# Altium PCB PDB_PCB2.PcbDoc (part 3 of 3)
Units mm, origin at the board's own origin, x right, y up, seen from the top; angles counter-clockwise.
Board outline 244 x 82 mm, 4 copper layers (Top Layer, NC, GND, Bottom Layer), stack 0.603 mm thick; 252 components, 210 nets, 894 pads, 234 vias.
Unrouted connection lines stored in the file: 2.
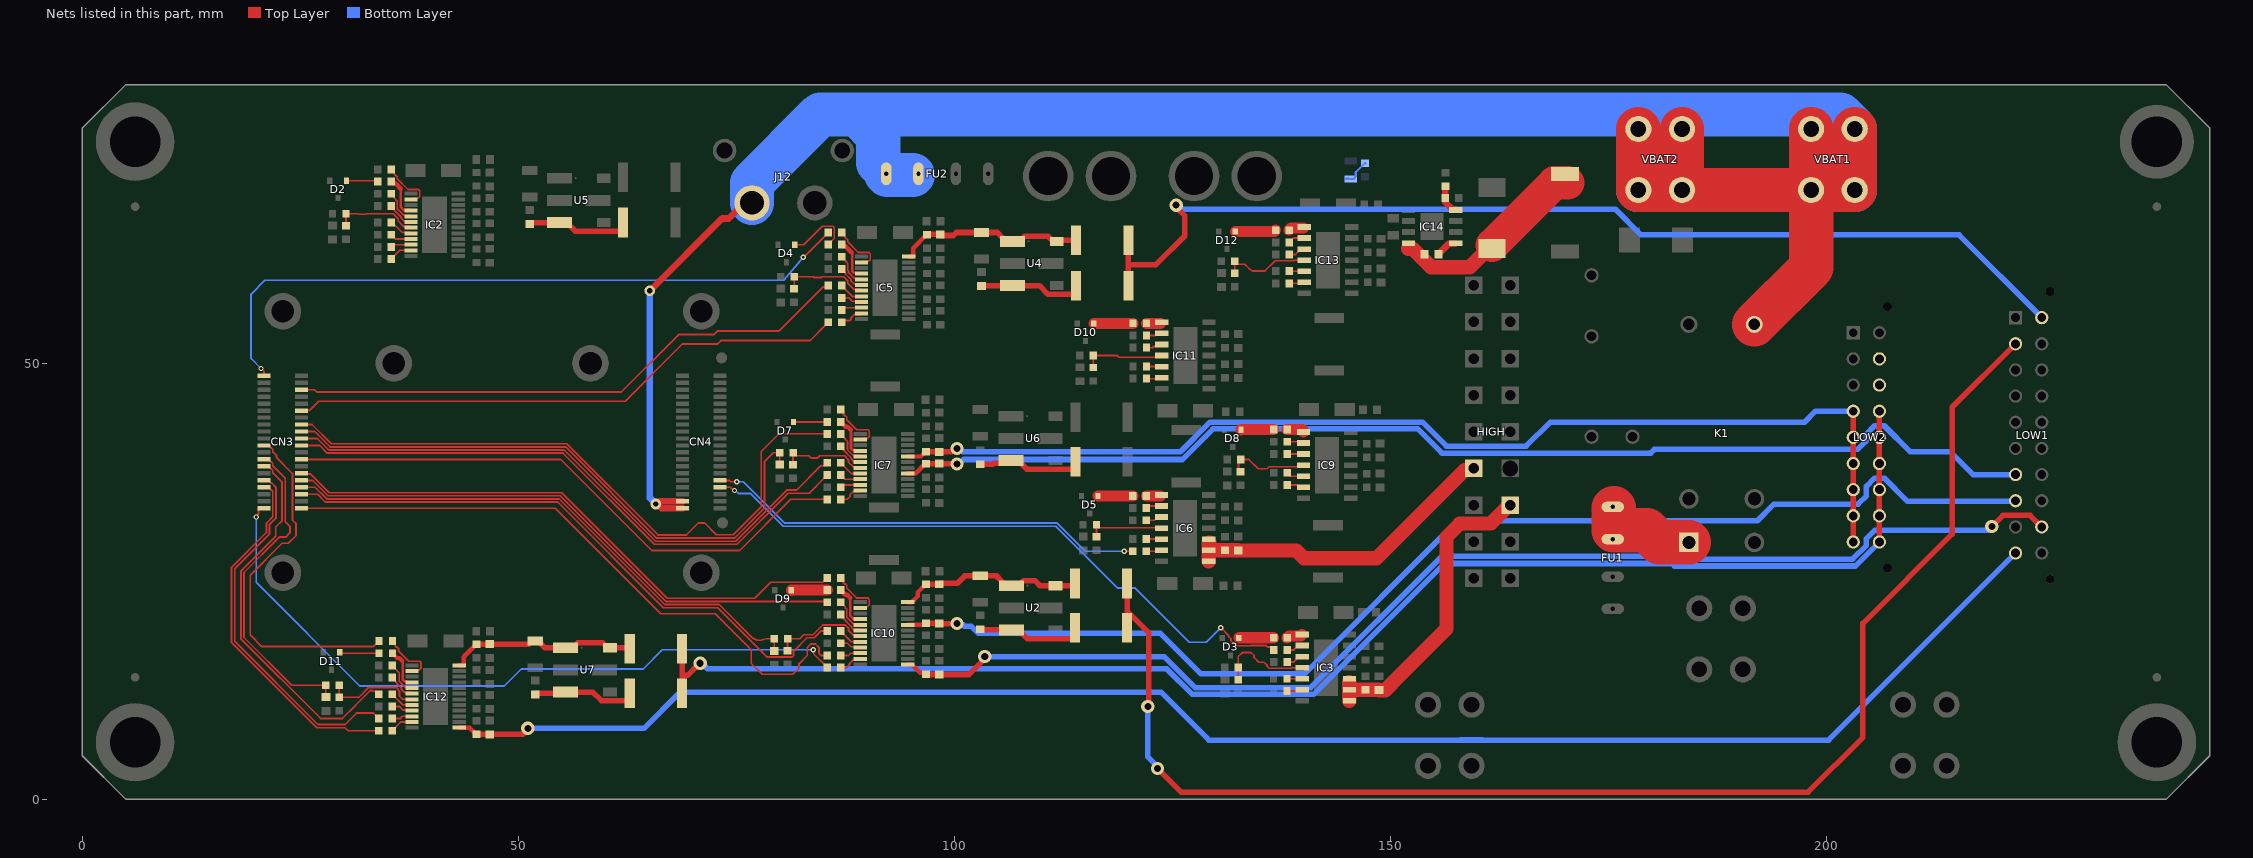
[diagram p5: the nets of this part, all layers, seen from the top]

## Via types
v1: diameter 1.524, hole 0.813, Top Layer to Bottom Layer, 114 vias
v2: diameter 1.219, hole 0.61, Top Layer to Bottom Layer, 68 vias
v3: diameter 0.61, hole 0.305, Top Layer to Bottom Layer, 44 vias
v4: diameter 1.2, hole 1.2, Top Layer to Bottom Layer, 2 vias
v5: diameter 0.8, hole 0.8, Top Layer to Bottom Layer, 2 vias
v6: diameter 1.016, hole 0.61, Top Layer to Bottom Layer, 1 vias
v7: diameter 2.54, hole 1.27, Top Layer to Bottom Layer, 1 vias
v8: diameter 0.914, hole 0.508, Top Layer to Bottom Layer, 1 vias
v9: diameter 0.813, hole 0.406, Top Layer to Bottom Layer, 1 vias

## Nets (pads, with @x,y where several pads share a name; then routed paths per layer and width w, separated by ;. In a path a pad name is that pad's centre, name@x,y a point inside that pad or via, vN(x,y) a via of type N, cw(c..) or ccw(c..) an arc to the next point about the centre after c; other vN are vias at no path point) (continued)
L2_select0: CN3.38 R31.2 | length 65.6
  Top Layer w0.203: CN3.38@25.16,47 26.619,47 26.883,46.736 61.814,46.736 68.392,53.315 72.415,53.315 72.817,53.716 79.878,53.716 84.961,58.799 85.443,58.799 R31.2@85.572,58.928
L2_select1: CN3.35 R33.2 | length 64.7
  Top Layer w0.203: CN3.35@25.14,44.577 25.201,44.638 26.096,44.638 27.127,45.669 62.255,45.669 68.834,52.248 72.873,52.248 73.254,52.629 83.464,52.629 85.224,54.389 85.249,54.389 85.572,54.712 R33.2@85.572,54.737
L3_5V_Backup: LOW1.11 R114.2 R116.2 | length 121.7
  Top Layer w0.635: R114.2@119.967,58.928 119.967,61.531 ; R116.2@119.967,64.135 119.967,61.531 ; v1(125.464,68.161) 125.464,67.92 126.449,66.935 126.449,64.651 123.139,61.341 120.158,61.341 119.967,61.531
  Bottom Layer w0.635: v1(125.464,68.161) 125.704,68.161 126.174,67.691 175.844,67.691 178.791,64.745 215.256,64.745 LOW1.11@224.742,55.259
L3_5V_Backup_a: C30.2 C75.2 IC5.24 R34.2 R116.1 U4.1 U4.6 | length 21.9
  Top Layer w0.508: IC5.24@94.787,62.249 95.267,62.249 95.296,62.278 95.296,63.23 96.856,64.79 R34.2@96.881,64.79
  Top Layer w0.635: R34.2@96.881,64.79 96.893,64.802 98.392,64.802 C30.2@98.405,64.815 98.537,64.682 99.91,64.682 100.253,65.026 C75.2@103.124,65.026 104.951,65.026 105.562,64.415 105.562,64.316 105.87,64.008 U4.1@106.68,64.008 107.49,64.008 108.077,64.595 110.77,64.595 111.23,64.135 R116.1@113.967,64.135
L3_5V_Backup_EN: CN3.1 R35.2 | length 79.3
  Top Layer w0.203: v3(20.498,49.428) 20.84,49.086 CN3.1@20.84,48.6 ; v3(82.677,62.174) 82.732,62.174 85.552,64.993 R35.2@85.552,65.043
  Bottom Layer w0.203: v3(20.498,49.428) 19.414,50.512 19.355,50.571 19.355,57.963 20.93,59.538 80.46,59.538 v3(82.677,62.174)
L3_current_IN5: C51.2 CN3.32 R72.2 | length 68.5
  Top Layer w0.203: CN3.32@25.128,42.2 26.644,42.2 28.407,40.437 55.428,40.437 65.893,29.972 74.798,29.972 78.232,33.406 78.232,38.743 79.247,39.758 R72.2@79.977,39.758 79.99,39.745 C51.2@79.99,38.399
L3_select0: CN3.31 R59.2 | length 68.9
  Top Layer w0.203: CN3.31@25.146,41.402 26.939,41.402 28.26,40.081 55.28,40.081 65.745,29.616 74.945,29.616 80.813,35.484 81.911,35.484 84.687,38.26 85.122,38.26 85.445,38.583 R59.2@85.445,38.608
L3_select1: CN3.28 R60.2 | length 67.1
  Top Layer w0.203: CN3.28@25.116,38.989 54.864,38.989 65.303,28.55 75.387,28.55 81.254,34.417 R60.2@85.445,34.417
L4_5V_Backup: LOW2.13 LOW2.14 LOW2.15 LOW2.16 LOW2.17 LOW2.18 R133.2 R136.2 | length 166.4
  Top Layer w0.635: R133.2@68.786,12.192 68.786,14.224 ; 68.786,14.526 R136.2@68.786,17.272 ; 69.088,14.224 69.389,14.224 70.786,15.621 v1(70.866,15.621) ; LOW2.18@206.121,29.529 LOW2.17@206.121,32.529 LOW2.16@206.121,35.529 LOW2.15@206.121,38.529 LOW2.14@206.121,41.529 LOW2.13@206.121,44.529
  Bottom Layer w0.635: v1(70.866,15.621) 71.047,15.621 71.682,14.986 124.372,14.986 127.318,12.04 141.199,12.04 156.22,27.061 182.327,27.061 182.617,26.772 203.364,26.772 LOW2.18@206.121,29.529
L4_5V_Backup_a: C71.2 C86.2 IC12.24 R121.2 R136.1 U7.1 U7.6 | length 22.1
  Top Layer w0.508: IC12.24@43.245,15.379 43.725,15.379 43.754,15.408 43.754,16.373 45.187,17.806 R121.2@45.212,17.806
  Top Layer w0.635: R121.2@45.212,17.806 45.218,17.812 46.73,17.812 C71.2@46.736,17.818 51.224,17.818 51.568,18.162 C86.2@51.943,18.162 52.318,18.162 52.684,17.796 52.684,17.771 53.055,17.399 U7.1@55.443,17.399 56.253,17.399 56.84,17.986 59.666,17.986 60.253,17.399 U7.6@60.518,17.399 62.659,17.399 R136.1@62.786,17.272
L4_5V_Backup_EN: CN3.11 R122.2 | length 41.8
  Top Layer w0.203: CN3.11@20.828,40.64 21.3,40.64 21.488,40.452 21.488,40.423 21.607,40.304 21.695,40.304 21.844,40.155 21.844,39.858 22.276,39.426 22.276,39.192 24.1,37.368 24.1,32.034 24.518,31.616 24.518,30.271 23.629,29.382 22.9,29.382 19.253,25.735 19.253,18.872 20.599,17.526 33.388,17.526 33.675,17.813 33.7,17.813 34.023,18.136 R122.2@34.023,18.161
L4_current_IN6: C60.2 CN3.24 R98.2 | length 62.8
  Top Layer w0.203: CN3.24@25.146,35.814 26.68,35.814 28.026,34.468 54.671,34.468 66.787,22.352 73.05,22.352 76.904,18.498 76.968,18.455 77.211,18.351 ccw(c77.648,19.38) 77.918,18.296 78.424,18.422 R98.2@79.342,18.422 79.355,18.409 C60.2@79.355,17.025
L4_select0: CN3.23 R87.2 | length 69.6
  Top Layer w0.203: CN3.23@25.16,35 26.991,35 27.879,34.112 54.524,34.112 66.639,21.996 72.903,21.996 78.578,16.321 81.396,16.321 81.583,16.508 81.583,17.011 83.114,18.542 83.952,18.542 84.714,19.304 R87.2@85.445,19.304
L4_select1: CN3.20 R88.2 | length 82.6
  Top Layer w0.203: v3(19.939,32.385) 19.939,32.495 20.192,32.748 20.192,33.252 20.341,33.401 CN3.20@20.955,33.401 ; v3(83.82,17.17) 83.898,17.093 83.898,16.685 85.445,15.138 R88.2@85.445,15.113
  Bottom Layer w0.203: v3(19.939,32.385) 19.939,24.892 31.826,13.005 48.394,13.005 50.35,14.961 64.313,14.961 66.523,17.17 v3(83.82,17.17)
L5_current_IN7: C80.2 CN3.13 R130.2 | length 37.6
  Top Layer w0.203: CN3.13@20.828,38.989 21.351,38.989 21.488,38.852 21.488,38.823 21.607,38.704 21.695,38.704 21.844,38.555 21.844,38.258 23.266,36.836 23.266,31.862 23.806,31.322 23.806,30.566 23.334,30.094 22.606,30.094 18.542,26.03 18.542,18.578 24.026,13.094 R130.2@27.927,13.094 27.927,11.748 C80.2@27.94,11.735
L5_select0: CN3.14 R119.2 | length 44.1
  Top Layer w0.203: CN3.14@20.828,38.227 21.313,38.227 21.488,38.052 21.488,38.023 21.607,37.904 21.695,37.904 21.844,37.755 21.844,37.458 22.911,36.391 22.911,31.969 22.194,31.251 22.194,30.185 18.186,26.177 18.186,18.43 27.32,9.296 29.835,9.296 31.355,10.817 31.355,10.825 33.021,12.491 33.224,12.491 33.301,12.413 33.687,12.413 34.01,12.09 R119.2@34.01,12.065
L5_select1: CN3.17 R120.2 | length 41.6
  Top Layer w0.203: CN3.17@20.819,35.823 21.317,35.823 21.636,35.504 21.695,35.504 21.844,35.355 21.844,32.41 21.127,31.693 21.127,30.626 17.12,26.619 17.12,17.988 26.878,8.23 30.124,8.23 30.48,7.874 R120.2@34.01,7.874
LOGGER_PWR: C59.2 IC10.13 LOW1.19 R101.2 | length 142.5
  Top Layer w0.508: IC10.13@94.66,15.475 95.14,15.475 96.106,14.509 96.603,14.509 R101.2@96.774,14.338
  Top Layer w0.635: R101.2@96.774,14.338 96.786,14.326 98.286,14.326 C59.2@98.298,14.313 101.689,14.313 103.06,15.684 103.06,15.698 103.505,16.142 v1(103.505,16.383) ; v1(219.011,31.305) 220.297,32.591 223.41,32.591 LOW1.19@224.742,31.259
  Bottom Layer w0.635: v1(103.505,16.383) 124.088,16.383 127.644,12.827 140.872,12.827 155.936,27.89 182.612,27.89 182.943,27.559 203.034,27.559 204.621,29.146 204.621,29.912 205.57,30.861 218.567,30.861 v1(219.011,31.305)
LOGGER_PWR_EN: CN3.21 R95.2 | length 72.6
  Top Layer w0.203: CN3.21@24.868,33.401 54.229,33.401 66.345,21.285 72.608,21.285 76.733,17.16 76.733,15.596 77.964,14.365 81.493,14.365 82.206,15.078 82.206,15.581 83.135,16.51 83.135,17.419 83.546,17.831 84.094,17.831 84.48,17.444 84.48,16.745 84.715,16.51 R95.2@85.445,16.51
MCU_UBR: C77.2 IC12.13 LOW1.10 R135.2 | length 191.8
  Top Layer w0.508: IC12.13@43.245,8.229 43.725,8.229 43.754,8.2 44.45,8.2 R135.2@44.999,7.651
  Top Layer w0.635: R135.2@45.212,7.48 45.224,7.468 46.724,7.468 C77.2@46.736,7.455 50.521,7.455 51.102,8.036 v1(51.102,8.158)
  Bottom Layer w0.635: v1(51.102,8.158) 64.419,8.158 68.58,12.319 123.698,12.319 129.21,6.807 158.109,6.807 158.119,6.817 160.571,6.817 160.581,6.807 200.29,6.807 LOW1.10@221.742,28.259
MCU_UBR_EN: CN3.16 R126.2 | length 42.5
  Top Layer w0.203: CN3.16@20.955,36.576 21.364,36.576 21.488,36.452 21.488,36.423 21.607,36.304 21.695,36.304 22.2,35.8 22.2,32.263 21.482,31.546 21.482,30.479 17.475,26.472 17.475,18.136 27.026,8.585 30.129,8.585 31.451,9.907 33.399,9.907 34.01,9.296 R126.2@34.01,9.271
NetC66_2: C66.2 R111.1 U2.3 | length 12.4
  Top Layer w0.635: C66.2@102.997,19.52 103.042,19.476 106.508,19.476 U2.3@106.553,19.431 107.363,19.431 108.358,18.436 113.583,18.436 113.84,18.694 R111.1@113.84,19.685
NetC68_1: C68.1 IC14.1 | length 2.4
  Top Layer w0.762: C68.1@155.562,62.526 155.562,62.576 156.735,63.749 IC14.1@157.469,63.749
NetC68_2: C68.2 D13.1 IC14.8 L1.1 | length 23.8
  Top Layer w0.508: D13.1@162.355,64.026 D13.1@162.718,64.026
  Top Layer w1.651: 152.095,63.17 152.585,63.17 154.707,61.048 159.119,61.048 161.246,63.175 D13.1@161.696,63.175
  Top Layer w3.048: D13.1@161.696,63.175 D13.1@161.696,63.573
  Top Layer w3.81: D13.1@161.696,63.573 168.862,70.739 170.383,70.739
NetC70_2: C70.2 R114.1 U4.3 | length 12.1
  Top Layer w0.635: C70.2@103.124,58.89 103.143,58.909 106.661,58.909 U4.3@106.68,58.928 109.775,58.928 110.77,57.933 113.71,57.933 113.967,58.191 R114.1@113.967,58.928
NetC76_2: C76.2 R129.1 U5.3 | length 12
  Top Layer w0.635: C76.2@51.308,66.002 51.358,66.002 51.523,66.167 U5.3@54.737,66.167 55.547,66.167 56.542,65.172 61.767,65.172 62.024,65.43 R129.1@62.024,66.167
NetC79_2: C79.2 R131.1 U6.3 | length 12.2
  Top Layer w0.635: C79.2@102.977,38.45 104.429,38.45 104.541,38.562 106.225,38.562 U6.3@106.533,38.869 107.343,38.869 108.338,37.874 113.641,37.874 113.899,38.132 R131.1@113.899,38.742
NetC82_2: C82.2 R133.1 U7.3 | length 12.1
  Top Layer w0.635: C82.2@51.943,12.027 52.076,12.16 55.284,12.16 U7.3@55.443,12.319 58.538,12.319 59.533,11.324 62.529,11.324 62.786,11.582 R133.1@62.786,12.192
NetD2_1: D2.1 R26.1 | length 3.6
  Top Layer w0.203: D2.1@30.287,70.961 33.801,70.961 R26.1@33.896,70.866
NetD3_1: D3.1 R27.2 | length 4
  Top Layer w1.27: D3.1@132.649,18.526 132.665,18.542 R27.2@136.639,18.542
NetD4_1: D4.1 R51.1 | length 7.7
  Top Layer w0.203: D4.1@81.702,63.618 82.766,63.618 84.883,65.735 86.095,65.735 86.244,65.586 86.244,64.338 85.565,63.659 R51.1@85.565,63.634
NetD5_1: D5.1 R55.2 | length 4
  Top Layer w1.27: D5.1@116.5,34.795 116.516,34.811 R55.2@120.49,34.811
NetD7_1: D7.1 R77.1 | length 3.9
  Top Layer w0.203: D7.1@81.575,43.298 R77.1@85.436,43.298
NetD8_1: D8.1 R82.2 | length 3.7
  Top Layer w1.27: D8.1@132.903,42.402 132.919,42.418 R82.2@136.639,42.418
NetD9_1: D9.1 R103.1 | length 4.1
  Top Layer w1.27: D9.1@81.321,23.994 81.337,24.01 R103.1@85.438,24.01
NetD10_1: D10.1 R118.2 | length 4.5
  Top Layer w1.27: D10.1@116.012,54.594 120.494,54.594 R118.2@120.51,54.61
NetD11_1: D11.1 R137.1 | length 4.5
  Top Layer w0.203: D11.1@29.525,16.875 29.636,16.764 R137.1@34.023,16.764
NetD12_1: D12.1 R152.2 | length 4.7
  Top Layer w1.27: D12.1@132.248,65.148 136.717,65.148 R152.2@136.86,65.291
NetFU1_2: FU1.2 K1.1 | length 11.4
  Top Layer w5.08: 175.666,30.886 FU1.2@175.666,33.425 ; 176.022,30.886 179.444,30.886 180.848,29.483 K1.1@184.27,29.483
NetIC2_2: IC2.2 R11.1 | length 6.4
  Top Layer w0.203: R11.1@35.446,72.263 35.769,71.94 35.769,71.689 35.888,71.57 35.976,71.57 36.125,71.421 36.125,71.19 37.355,69.96 38.562,69.96 38.711,69.811 38.711,69.151 38.562,69.002 38.51,69.002 38.462,68.954 37.818,68.954 IC2.2@37.694,68.831
NetIC2_4: IC2.4 R26.2 | length 4.9
  Top Layer w0.305: 36.531,70.047 36.531,67.925 36.853,67.604 37.621,67.604 IC2.4@37.694,67.531
  Top Layer w0.508: R26.2@35.446,70.866 35.446,70.841 35.617,70.67 35.908,70.67 36.531,70.047
NetIC2_5: IC2.5 R13.1 | length 3.9
  Top Layer w0.203: R13.1@35.446,69.469 35.769,69.146 35.769,68.983 36.125,68.627 36.125,67.753 36.874,67.004 37.571,67.004 IC2.5@37.694,66.881
NetIC2_6: IC2.6 R3.1 | length 3.2
  Top Layer w0.203: R3.1@35.446,68.072 35.769,67.749 35.769,67.591 36.594,66.766 36.594,66.634 36.874,66.354 37.571,66.354 IC2.6@37.694,66.231
NetIC2_7: IC2.7 R22.1 R24.2 | length 9.7
  Top Layer w0.203: R24.2@30.226,65.786 30.239,65.799 R22.1@30.239,67.183 31.655,67.183 31.731,67.107 32.531,67.107 32.607,67.183 35.651,67.183 36.239,66.595 36.239,66.34 36.874,65.704 37.571,65.704 IC2.7@37.694,65.581
NetIC2_8: IC2.8 R4.1 | length 2.8
  Top Layer w0.203: R4.1@35.433,66.142 R4.1@35.433,66.167 ; R4.1@35.446,66.269 36.661,65.054 37.571,65.054 IC2.8@37.694,64.931
NetIC2_9: IC2.9 R17.1 | length 2.5
  Top Layer w0.203: R17.1@35.433,64.77 35.433,64.745 35.756,64.422 35.781,64.422 35.922,64.281 IC2.9@37.694,64.281
NetIC2_10: IC2.10 R19.1 | length 2.4
  Top Layer w0.203: R19.1@35.433,63.373 35.691,63.631 IC2.10@37.694,63.631
NetIC2_11: IC2.11 R7.1 | length 2.7
  Top Layer w0.203: R7.1@35.433,61.976 35.433,62.001 36.413,62.981 IC2.11@37.694,62.981
NetIC3_1: IC3.1 R27.1 | length 1.9
  Top Layer w1.27: R27.1@138.189,18.542 138.412,18.765 139.781,18.765 139.909,18.893 IC3.1@139.909,18.923
NetIC3_2: IC3.2 R12.1 | length 1.9
  Top Layer w0.203: R12.1@138.189,17.145 138.963,17.145 139.471,17.653 IC3.2@139.909,17.653
NetIC3_3: IC3.3 R5.1 | length 2
  Top Layer w0.203: R5.1@138.189,15.748 138.919,15.748 139.248,16.077 139.248,16.16 139.471,16.383 IC3.3@139.909,16.383
NetIC3_4: IC3.4 R18.1 R23.2 | length 11.1
  Top Layer w0.203: R23.2@132.588,13.729 R18.1@132.588,15.113 132.588,16.396 133.034,16.842 134.047,16.842 134.385,16.503 134.385,16.288 134.951,15.723 135.534,15.723 135.89,15.367 135.89,15.263 136.109,15.044 138.719,15.044 138.788,15.113 IC3.4@139.909,15.113
NetIC3_5: IC3.5 R8.1 | length 1.7
  Top Layer w0.203: R8.1@138.176,13.843 IC3.5@139.909,13.843
NetIC3_6: IC3.6 R16.1 | length 1.8
  Top Layer w0.203: R16.1@138.176,12.446 139.782,12.446 IC3.6@139.909,12.573
NetIC5_2: IC5.2 R35.1 | length 6.4
  Top Layer w0.203: R35.1@87.115,65.031 87.438,64.708 87.438,64.457 87.557,64.338 87.645,64.338 87.794,64.189 87.794,63.946 89.012,62.728 90.231,62.728 90.379,62.579 90.379,61.919 90.183,61.722 89.486,61.722 IC5.2@89.363,61.599
NetIC5_4: IC5.4 R51.2 | length 4.9
  Top Layer w0.305: 88.265,62.713 88.296,62.682 88.296,60.598 88.474,60.419 88.705,60.419 88.825,60.299 IC5.4@89.363,60.299
  Top Layer w0.508: R51.2@87.115,63.634 87.115,63.609 87.286,63.438 87.54,63.438 88.265,62.713
NetIC5_5: IC5.5 R37.1 | length 3.9
  Top Layer w0.203: R37.1@87.115,62.237 87.115,62.212 87.635,61.692 87.635,61.624 87.794,61.466 87.794,60.668 87.889,60.573 87.889,60.426 88.543,59.772 89.24,59.772 IC5.5@89.363,59.649
NetIC5_6: IC5.6 R29.1 | length 3.2
  Top Layer w0.203: R29.1@87.115,60.84 87.115,60.815 87.534,60.396 87.534,60.264 88.157,59.641 88.157,59.509 88.543,59.122 89.24,59.122 IC5.6@89.363,58.999
NetIC5_7: IC5.7 R46.1 R49.2 | length 10
  Top Layer w0.203: R49.2@81.641,58.567 81.654,58.58 R46.1@81.654,59.951 83.845,59.951 83.928,59.868 84.728,59.868 84.811,59.951 87.333,59.951 87.801,59.483 87.801,59.214 88.543,58.472 89.24,58.472 IC5.7@89.363,58.349
NetIC5_8: IC5.8 R31.1 | length 2.8
  Top Layer w0.203: R31.1@87.122,58.928 87.122,58.903 88.326,57.699 IC5.8@89.363,57.699
NetIC5_9: IC5.9 R40.1 | length 2.4
  Top Layer w0.203: R40.1@87.122,57.531 87.894,57.531 88.296,57.13 89.282,57.13 IC5.9@89.363,57.049
NetIC5_10: IC5.10 R42.1 | length 2.4
  Top Layer w0.203: R42.1@87.122,56.134 87.387,56.399 IC5.10@89.363,56.399
NetIC5_11: IC5.11 R33.1 | length 2.8
  Top Layer w0.203: R33.1@87.122,54.737 87.445,54.94 88.055,54.94 88.174,55.059 88.174,55.256 88.543,55.626 89.24,55.626 IC5.11@89.363,55.749
NetIC6_1: IC6.1 R55.1 | length 1.6
  Top Layer w1.27: R55.1@122.04,34.811 IC6.1@123.666,34.811
NetIC6_2: IC6.2 R41.1 | length 1.8
  Top Layer w0.203: R41.1@122.04,33.414 122.281,33.655 IC6.2@123.78,33.655
NetIC6_3: IC6.3 R36.1 | length 1.9
  Top Layer w0.203: R36.1@122.04,32.017 122.974,32.017 123.342,32.385 IC6.3@123.78,32.385
NetIC6_4: IC6.4 R47.1 R52.2 | length 9
  Top Layer w0.203: R52.2@116.312,30.112 116.325,30.125 R47.1@116.325,31.509 116.325,31.489 116.648,31.166 123.729,31.166 IC6.4@123.78,31.115
NetIC6_5: IC6.5 R38.1 | length 1.7
  Top Layer w0.203: R38.1@122.04,29.858 123.767,29.858 IC6.5@123.78,29.845
NetIC6_6: IC6.6 R44.1 | length 1.8
  Top Layer w0.203: R44.1@122.04,28.461 123.666,28.461 IC6.6@123.78,28.575
NetIC7_2: IC7.2 R63.1 | length 6.4
  Top Layer w0.203: R63.1@86.995,44.704 87.318,44.381 87.318,44.13 87.437,44.011 87.525,44.011 87.674,43.862 87.674,43.568 88.834,42.408 90.104,42.408 90.252,42.259 90.252,41.599 90.056,41.402 89.359,41.402 IC7.2@89.236,41.279
NetIC7_4: IC7.4 R77.2 | length 4.9
  Top Layer w0.305: 88.134,42.389 88.169,42.355 88.169,40.278 88.347,40.099 88.578,40.099 88.698,39.979 IC7.4@89.236,39.979
  Top Layer w0.508: R77.2@86.995,43.307 86.995,43.282 87.511,42.766 87.757,42.766 88.134,42.389
NetIC7_5: IC7.5 R65.1 | length 3.9
  Top Layer w0.203: R65.1@86.995,41.91 86.995,41.885 87.508,41.372 87.508,41.304 87.762,41.05 87.762,40.106 88.416,39.452 89.113,39.452 IC7.5@89.236,39.329
NetIC7_6: IC7.6 R58.1 | length 3.2
  Top Layer w0.203: R58.1@86.995,40.513 87.318,40.19 87.318,40.032 88.219,39.131 88.219,38.999 88.416,38.802 89.113,38.802 IC7.6@89.236,38.679
NetIC7_7: IC7.7 R72.1 R74.2 | length 10.2
  Top Layer w0.203: R74.2@81.514,38.374 81.514,39.745 R72.1@81.527,39.758 ; R72.1@81.527,39.733 81.85,39.41 83.304,39.41 83.547,39.167 84.347,39.167 84.59,39.41 87.428,39.41 87.864,38.973 87.864,38.704 88.416,38.152 89.113,38.152 IC7.7@89.236,38.029
NetIC7_8: IC7.8 R59.1 | length 2.8
  Top Layer w0.203: R59.1@86.995,38.608 86.995,38.583 88.199,37.379 IC7.8@89.236,37.379
NetIC7_9: IC7.9 R67.1 | length 2.5
  Top Layer w0.203: R67.1@86.995,37.211 86.995,37.186 87.452,36.729 IC7.9@89.236,36.729
NetIC7_10: IC7.10 R69.1 | length 2.4
  Top Layer w0.203: R69.1@86.995,35.814 87.26,36.079 IC7.10@89.236,36.079
NetIC7_11: IC7.11 R60.1 | length 2.8
  Top Layer w0.203: R60.1@86.995,34.417 87.725,34.417 88.047,34.739 88.047,34.936 88.416,35.306 89.113,35.306 IC7.11@89.236,35.429
NetIC9_1: IC9.1 R82.1 | length 2.4
  Top Layer w0.203: R82.1@138.189,42.418 R82.1@138.456,42.151
  Top Layer w1.27: R82.1@138.189,42.418 139.929,42.418 140.056,42.29 IC9.1@140.056,42.151
NetIC9_2: IC9.2 R73.1 | length 1.9
  Top Layer w0.203: R73.1@138.202,41.021 139.916,41.021 IC9.2@140.056,40.881
NetIC9_3: IC9.3 R68.1 | length 1.9
  Top Layer w0.203: R68.1@138.202,39.624 138.215,39.611 IC9.3@140.056,39.611
NetIC9_4: IC9.4 R79.1 R81.2 | length 9.2
  Top Layer w0.203: R81.2@132.588,37.592 132.601,37.605 R79.1@132.601,38.976 ; R79.1@132.855,38.976 133.814,38.976 134.855,37.935 135.875,37.935 136.109,38.169 139.884,38.169 IC9.4@140.056,38.341
NetIC9_5: IC9.5 R71.1 | length 2
  Top Layer w0.203: R71.1@138.189,37.465 138.189,37.44 138.558,37.071 IC9.5@140.056,37.071
NetIC9_6: IC9.6 R78.1 | length 2
  Top Layer w0.203: R78.1@138.189,36.068 139.352,36.068 139.619,35.801 IC9.6@140.056,35.801
NetIC10_2: IC10.2 R90.1 | length 6.4
  Top Layer w0.203: R90.1@86.975,25.407 87.298,25.084 87.298,24.833 87.417,24.714 87.518,24.714 87.667,24.565 87.667,24.246 88.808,23.104 90.104,23.104 90.252,22.955 90.252,22.295 90.056,22.098 89.359,22.098 IC10.2@89.236,21.975
NetIC10_4: IC10.4 R103.2 | length 4.8
  Top Layer w0.305: 88.058,23.136 88.073,23.121 88.073,21.069 88.395,20.748 89.163,20.748 IC10.4@89.236,20.675
  Top Layer w0.508: R103.2@86.988,24.01 86.988,23.985 87.503,23.469 87.725,23.469 88.058,23.136
NetIC10_5: IC10.5 R91.1 | length 3.9
  Top Layer w0.203: R91.1@86.988,22.613 86.988,22.588 87.508,22.068 87.508,22 87.667,21.842 87.667,20.897 88.416,20.148 89.113,20.148 IC10.5@89.236,20.025
NetIC10_6: IC10.6 R86.1 | length 3.2
  Top Layer w0.203: R86.1@86.988,21.216 87.311,20.893 87.311,20.735 88.219,19.827 88.219,19.695 88.416,19.498 89.113,19.498 IC10.6@89.236,19.375
NetIC10_7: IC10.7 R98.1 R100.2 | length 11.1
  Top Layer w0.203: R100.2@80.879,17.038 80.879,18.409 R98.1@80.892,18.422 82.272,18.422 82.748,18.898 83.804,18.898 84.915,20.008 87.525,20.008 87.864,19.669 87.864,19.4 88.416,18.848 89.113,18.848 IC10.7@89.236,18.725
NetIC10_8: IC10.8 R87.1 | length 2.8
  Top Layer w0.203: R87.1@86.995,19.304 86.995,19.279 88.199,18.075 IC10.8@89.236,18.075
NetIC10_9: IC10.9 R93.1 | length 2.4
  Top Layer w0.203: R93.1@86.995,17.907 87.767,17.907 88.169,17.506 89.155,17.506 IC10.9@89.236,17.425
NetIC10_10: IC10.10 R95.1 | length 2.4
  Top Layer w0.203: R95.1@86.995,16.51 87.876,16.51 88.141,16.775 IC10.10@89.236,16.775
NetIC10_11: IC10.11 R88.1 | length 2.7
  Top Layer w0.203: R88.1@86.995,15.113 87.63,15.113 87.999,15.482 87.999,15.585 88.416,16.002 89.113,16.002 IC10.11@89.236,16.125
NetIC11_1: IC11.1 R118.1 | length 1.6
  Top Layer w1.27: R118.1@122.06,54.61 IC11.1@123.686,54.61
NetIC11_2: IC11.2 R105.1 | length 1.8
  Top Layer w0.203: R105.1@122.06,53.213 123.122,53.213 123.363,53.454 IC11.2@123.8,53.454
NetIC11_3: IC11.3 R102.1 | length 1.9
  Top Layer w0.203: R102.1@122.06,51.816 122.752,51.816 122.897,51.961 123.139,51.961 123.363,52.184 IC11.3@123.8,52.184
NetIC11_4: IC11.4 R108.1 R112.2 | length 9.4
  Top Layer w0.203: R112.2@115.951,49.543 115.951,50.914 R108.1@115.964,50.927 118.65,50.927 118.853,50.724 123.61,50.724 IC11.4@123.8,50.914
NetIC11_5: IC11.5 R104.1 | length 1.7
  Top Layer w0.203: R104.1@122.06,49.657 123.787,49.657 IC11.5@123.8,49.644
NetIC11_6: IC11.6 R107.1 | length 1.8
  Top Layer w0.203: R107.1@122.06,48.26 123.686,48.26 IC11.6@123.8,48.374
NetIC12_2: IC12.2 R122.1 | length 6.4
  Top Layer w0.203: R122.1@35.573,18.161 35.896,17.838 35.896,17.587 36.015,17.468 36.103,17.468 36.252,17.319 36.252,17.037 37.431,15.858 38.689,15.858 38.838,15.709 38.838,15.049 38.641,14.852 37.945,14.852 IC12.2@37.821,14.729
NetIC12_4: IC12.4 R137.2 | length 4.9
  Top Layer w0.305: 36.725,15.845 36.754,15.817 36.754,13.728 36.932,13.549 37.163,13.549 37.284,13.429 IC12.4@37.821,13.429
  Top Layer w0.508: R137.2@35.573,16.764 35.573,16.739 36.089,16.223 36.347,16.223 36.725,15.845
NetIC12_5: IC12.5 R123.1 | length 3.9
  Top Layer w0.203: R123.1@35.56,15.367 35.56,15.342 36.093,14.809 36.093,14.754 36.347,14.5 36.347,13.556 37.001,12.902 37.698,12.902 IC12.5@37.821,12.779
NetIC12_6: IC12.6 R117.1 | length 3.2
  Top Layer w0.203: R117.1@35.56,13.97 35.56,13.945 35.992,13.513 35.992,13.387 36.595,12.785 36.595,12.659 37.001,12.252 37.698,12.252 IC12.6@37.821,12.129
NetIC12_7: IC12.7 R130.1 R134.2 | length 11.2
  Top Layer w0.203: R130.1@29.477,13.094 29.464,13.081 R134.2@29.464,11.71 31.737,11.71 32.874,12.846 36.013,12.846 36.239,12.62 36.239,12.512 36.383,12.367 36.383,11.849 36.754,11.479 IC12.7@37.821,11.479
NetIC12_8: IC12.8 R119.1 | length 2.8
  Top Layer w0.203: R119.1@35.56,12.065 35.56,12.04 36.754,10.846 37.804,10.846 IC12.8@37.821,10.829
NetIC12_9: IC12.9 R125.1 | length 2.5
  Top Layer w0.203: R125.1@35.56,10.668 36.339,10.668 36.754,10.253 37.747,10.253 IC12.9@37.821,10.179
NetIC12_10: IC12.10 R126.1 | length 2.4
  Top Layer w0.203: R126.1@35.56,9.271 36.455,9.271 36.713,9.529 IC12.10@37.821,9.529
NetIC12_11: IC12.11 R120.1 | length 2.7
  Top Layer w0.203: R120.1@35.56,7.874 35.56,7.899 36.54,8.879 IC12.11@37.821,8.879
NetIC13_1: IC13.1 R152.1 | length 1.7
  Top Layer w1.27: R152.1@138.41,65.291 138.651,65.532 IC13.1@140.036,65.532
NetIC13_2: IC13.2 R140.1 | length 2
  Top Layer w0.203: R140.1@138.41,63.894 138.41,63.919 138.88,64.389 IC13.2@140.163,64.389
NetIC13_3: IC13.3 R138.1 | length 2
  Top Layer w0.203: R138.1@138.41,62.497 139.14,62.497 139.502,62.859 139.502,62.896 139.725,63.119 IC13.3@140.163,63.119
NetIC13_4: IC13.4 R145.1 R149.2 | length 10.3
  Top Layer w0.203: R149.2@132.187,60.351 R145.1@132.187,61.722 ; R145.1@132.2,61.735 132.2,61.71 132.523,61.387 133.323,61.387 133.811,60.9 ccw(c134.493,61.582) 133.92,60.806 134.175,60.617 135.651,60.617 136.827,61.793 138.94,61.793 138.996,61.849 IC13.4@140.163,61.849
NetIC13_5: IC13.5 R139.1 | length 1.8
  Top Layer w0.203: R139.1@138.41,60.592 138.423,60.579 IC13.5@140.163,60.579
NetIC13_6: IC13.6 R142.1 | length 1.8
  Top Layer w0.203: R142.1@138.41,59.195 140.049,59.195 IC13.6@140.163,59.309
NetIC14_4: IC14.4 R2.1 R113.2 | length 3.4
  Top Layer w0.762: R2.1@156.312,68.986 R2.1@156.324,68.999 ; R113.2@156.337,70.32 156.324,70.307 R2.1@156.324,68.999 ; IC14.4@157.525,67.615 157.2,67.615 156.324,68.49 R2.1@156.324,68.999
NetLED1_2: LED1.2 R32.1 | length 3
  Bottom Layer w0.254: LED1.2@144.963,71.187 LED1.2@145.263,71.187 ; LED1.2@145.491,71.162 145.791,71.162 146.064,71.435 146.064,71.934 147.092,72.962 R32.1@147.117,72.962 ; R32.1@147.142,72.962 R32.1@147.167,72.962
PUMP_CTRL: LOW2.11
PUMP_PWR: C34.2 HIGH.13 IC6.8 IC6.9 IC6.10 R48.2 | length 37.2
  Top Layer w1.651: IC6.8@129.204,27.305 IC6.9@129.204,28.575 ; 129.286,29.464 129.204,29.382 IC6.9@129.204,28.575 ; HIGH.13@159.571,37.964 159.397,37.789 158.566,37.789 148.438,27.661 140.127,27.661 139.238,28.55 C34.2@132.568,28.55 132.543,28.575 R48.2@131.044,28.575 IC6.9@129.204,28.575
PUMP_PWR_EN: CN4.25 R44.2 | length 50.7
  Top Layer w0.203: CN4.25@73.16,36.6 73.186,36.574 74.215,36.574 74.34,36.449 v3(75.057,36.449) ; v3(119.507,28.461) R44.2@120.49,28.461
  Bottom Layer w0.203: v3(75.057,36.449) 75.799,36.449 80.548,31.699 111.816,31.699 115.054,28.461 v3(119.507,28.461)
TAILLIGHT_PWR: LOW1.2 R110.2 R111.2 | length 159.7
  Top Layer w0.635: R110.2@119.84,24.765 119.84,21.59 122.301,19.129 122.301,10.762 v1(122.207,10.668) ; v1(123.317,3.556) 126.025,0.848 197.952,0.848 204.216,7.112 204.216,20.193 214.464,30.441 214.464,44.981 LOW1.2@221.742,52.259
  Bottom Layer w0.635: v1(122.207,10.668) 122.207,4.871 123.317,3.761 v1(123.317,3.556)
TAILLIGHT_PWR_a: C55.2 C67.2 IC10.24 R89.2 R110.1 U2.1 U2.6 | length 21.9
  Top Layer w0.508: IC10.24@94.66,22.625 95.14,22.625 95.839,23.325 95.839,23.782 96.729,24.671 R89.2@96.754,24.671
  Top Layer w0.635: R89.2@96.754,24.671 96.76,24.677 98.272,24.677 C55.2@98.278,24.683 98.382,24.787 100.352,24.787 101.22,25.655 C67.2@102.997,25.655 104.824,25.655 105.435,25.044 105.435,24.819 105.743,24.511 U2.1@106.553,24.511 107.363,24.511 107.95,25.098 109.259,25.098 109.846,24.511 U2.6@111.628,24.511 113.586,24.511 R110.1@113.84,24.765
TAILLIGHT_PWR_EN: CN3.26 R90.2 | length 67.2
  Top Layer w0.203: CN3.26@25.146,37.338 26.162,37.338 28.321,35.179 54.965,35.179 67.081,23.063 77.114,23.063 78.95,24.899 84.917,24.899 85.076,25.059 85.101,25.059 85.425,25.382 R90.2@85.425,25.407
Temperature_PWR: C47.2 IC7.20 LOW2.4 LOW2.5 LOW2.6 LOW2.7 LOW2.8 LOW2.9 R66.2 | length 128.3
  Top Layer w0.508: IC7.20@94.66,39.329 96.185,39.329 96.558,39.702 96.558,39.714 R66.2@96.729,39.885
  Top Layer w0.635: R66.2@96.729,39.885 96.748,39.866 98.259,39.866 C47.2@98.278,39.847 98.331,39.9 99.73,39.9 100.089,40.259 v1(100.33,40.259) ; LOW2.9@203.121,29.529 LOW2.8@203.121,32.529 LOW2.7@203.121,35.529 LOW2.6@203.121,38.529 LOW2.5@203.121,41.529 LOW2.4@203.121,44.529
  Bottom Layer w0.635: v1(100.33,40.259) 100.571,40.259 100.952,39.878 125.955,39.878 129.358,43.282 153.695,43.282 156.464,40.513 165.608,40.513 168.377,43.282 197.557,43.282 198.805,44.529 LOW2.4@203.121,44.529
Temperature_PWR_EN: CN3.33 R65.2 | length 75.2
  Top Layer w0.203: CN3.33@25.16,43 26.347,43 28.555,40.792 55.575,40.792 66.04,30.328 69.286,30.328 70.665,31.706 71.367,31.706 72.72,30.353 74.676,30.353 77.876,33.553 77.876,39.903 79.906,41.933 80.498,41.933 80.505,41.939 81.241,41.939 81.247,41.933 85.422,41.933 R65.2@85.445,41.91
TSALR_PWR: C56.2 IC10.20 LOW1.8 R92.2 | length 140.7
  Top Layer w0.508: IC10.20@94.66,20.025 96.554,20.025 R92.2@96.729,20.2
  Top Layer w0.635: R92.2@96.729,20.2 96.748,20.181 98.259,20.181 C56.2@98.278,20.162 98.287,20.171 100.321,20.171 v1(100.33,20.18)
  Bottom Layer w0.635: v1(100.33,20.18) 100.5,20.01 101.024,20.01 101.146,19.888 101.93,19.888 102.743,19.075 123.623,19.075 128.297,14.402 140.161,14.402 157.726,31.967 192.114,31.967 194.007,33.86 203.673,33.86 204.621,34.809 204.621,35.912 205.569,36.861 206.673,36.861 209.345,34.188 221.671,34.188 LOW1.8@221.742,34.259
TSALR_PWR_EN: CN3.25 R91.2 | length 66.1
  Top Layer w0.203: CN3.25@25.135,36.576 26.421,36.576 28.174,34.823 54.818,34.823 66.934,22.708 85.343,22.708 R91.2@85.438,22.613
VBAT: CN4.19 CN4.20 FU2.2 J12.2 K1.4 VBAT1.1 VBAT1.2 VBAT1.3 VBAT1.4 VBAT2.1 VBAT2.2 VBAT2.3 VBAT2.4 | length 289.1
  Top Layer w0.762: v2(65.097,58.347) 73.388,66.637 74.135,66.637 75.291,67.793 76.181,67.793 J12.2@76.81,68.422 ; v2(65.786,33.882) 65.91,33.882 66.392,33.4 CN4.20@68.84,33.4 ; v2@66.227,34.2 CN4.19@68.84,34.2
  Top Layer w5.08: VBAT2.1@178.475,76.906 VBAT2.3@178.475,69.906 VBAT2.4@183.475,69.906 ; VBAT2.2@183.475,76.906 VBAT2.4@183.475,69.906 ; K1.4@191.77,54.483 198.287,61 VBAT1.3@198.287,69.906 ; VBAT1.1@198.287,76.906 VBAT1.3@198.287,69.906 ; VBAT1.2@203.287,76.906 VBAT1.4@203.287,69.906 VBAT1.3@198.287,69.906 ; VBAT2.4@183.475,69.906 VBAT1.3@198.287,69.906
  Bottom Layer w0.762: v2(65.097,58.347) 65.1,58.344 65.1,34.568 v2(65.786,33.882)
  Bottom Layer w5.08: J12.2@76.81,68.422 76.81,70.714 84.662,78.566 88.876,78.566 ; FU2.2@92.203,71.755 92.33,71.628 95.25,71.628 ; FU2.2@92.203,72.135 91.304,73.034 91.304,76.138 88.876,78.566 ; VBAT2.3@178.475,69.906 VBAT2.1@178.475,76.906 ; VBAT2.4@183.475,69.906 VBAT2.2@183.475,76.906 ; VBAT1.3@198.287,69.906 VBAT1.1@198.287,76.906 ; VBAT1.4@203.287,69.906 VBAT1.2@203.287,76.906 201.627,78.566 88.876,78.566
VCU_PWR: C48.2 IC7.17 LOW1.7 R70.2 | length 134.5
  Top Layer w0.508: IC7.17@94.66,37.379 94.679,37.398 95.591,37.398 96.523,38.33 96.583,38.33 R70.2@96.754,38.501
  Top Layer w0.635: R70.2@96.754,38.501 96.766,38.513 98.265,38.513 C48.2@98.278,38.526 98.3,38.503 100.308,38.503 v1(100.33,38.481)
  Bottom Layer w0.635: v1(100.33,38.481) 100.571,38.481 101.079,38.989 126.179,38.989 129.684,42.494 153.183,42.494 155.952,39.726 179.871,39.726 180.303,40.157 203.632,40.157 204.588,41.113 204.588,41.879 205.569,42.861 206.673,42.861 209.673,39.86 214.267,39.86 216.868,37.259 LOW1.7@221.742,37.259
VCU_PWR_EN: CN3.30 R67.2 | length 68.3
  Top Layer w0.203: CN3.30@25.16,40.6 27.238,40.6 28.113,39.726 55.133,39.726 65.598,29.261 75.092,29.261 80.96,35.128 83.362,35.128 85.097,36.863 85.122,36.863 85.445,37.186 R67.2@85.445,37.211
VCU_UBR: C22.2 HIGH.3 IC3.8 IC3.9 IC3.10 R20.2 | length 35.6
  Top Layer w1.651: 145.288,13.462 145.333,13.417 IC3.9@145.333,12.573 ; IC3.8@145.333,11.303 IC3.9@145.333,12.573 ; HIGH.3@163.771,33.764 163.597,33.589 163.502,33.589 161.556,31.644 158.009,31.644 156.464,30.099 156.464,19.558 150.195,13.289 150.195,13.28 149.45,12.535 C22.2@148.717,12.535 148.679,12.573 IC3.9@145.333,12.573
VCU_UBR_CTRL: LOW2.12
VCU_UBR_EN: CN4.24 R12.2 | length 72.8
  Top Layer w0.203: CN4.24@73.16,35.8 74.326,35.8 74.693,35.433 v3(74.803,35.433) ; v3(130.556,19.685) 130.599,19.685 131.504,18.78 131.504,18.662 131.76,18.406 131.76,18.158 132.281,17.637 134.007,17.637 134.023,17.653 135.75,17.653 135.91,17.493 136.316,17.493 136.639,17.17 R12.2@136.639,17.145
  Bottom Layer w0.203: v3(74.803,35.433) 74.913,35.433 75.269,35.077 76.667,35.077 80.401,31.344 111.669,31.344 118.768,24.244 120.771,24.244 126.981,18.034 128.905,18.034 v3(130.556,19.685)
pads on no net: D2.2 D3.2 D4.2 D5.2 D7.2 D8.2 D9.2 D10.2 D11.2 D12.2 HIGH.1 HIGH.2 HIGH.10 HIGH.11 IC2.1 IC2.3 IC2.12 IC2.14 IC2.15 IC2.16 IC2.18 IC2.19 IC2.21 IC2.22 IC2.23 IC3.7 IC3.11 IC5.1 IC5.3 IC5.12 IC5.14 IC5.15 IC5.16 IC5.18 IC5.19 IC5.21 IC5.22 IC5.23 IC6.7 IC6.11 IC7.1 IC7.3 IC7.12 IC7.14 IC7.15 IC7.16 IC7.18 IC7.19 IC7.21 IC7.22 IC7.23 IC9.7 IC9.11 IC10.1 IC10.3 IC10.12 IC10.14 IC10.15 IC10.16 IC10.18 IC10.19 IC10.21 IC10.22 IC10.23 IC11.7 IC11.11 IC12.1 IC12.3 IC12.12 IC12.14 IC12.15 IC12.16 IC12.18 IC12.19 IC12.21 IC12.22 IC12.23 IC13.7 IC13.11 IC14.2 IC14.3 IC14.5 J12.3 J12.4 K1.2 K1.3 LOW1.3 LOW1.13 LOW1.21 LOW1.22 LOW2.19 LOW2.20 U2.0 U2.4 U4.0 U4.4 U5.0 U5.4 U6.0 U6.4 U7.0 U7.4
copper on no net:
  other v4: 23,51.1 71,51.1
  other v5: 23,30.9 71,30.9

## Polygon pours and split planes (outlines as drawn)
GND on Top Layer "GND_L01_P000" (solid, remove dead copper, pour order 0): -4.572,85.344 248.412,85.344 248.412,-4.699 -4.445,-4.699 -5.207,-5.461
GND on Bottom Layer "GND_L04_P001" (solid, remove dead copper, pour order 1): 0,82 244,82 244,0 0,0
GND on GND "NONET_L-01_P-001" (solid, pour order 2): 5.282,83.16 238.785,83.16 245.034,76.911 245.034,4.699 239.547,-0.787 5.131,-0.787 -0.737,5.08 -0.737,77.187
GND on NC (split plane): 243.49,76.789 243.49,5.211 238.789,0.51 5.211,0.51 0.51,5.211 0.51,76.789 5.211,81.49 238.789,81.49

## Keep-outs
Keep-Out Layer:
  lines w0.762: 41,26.5 41,29.5 53,29.5 53,26.5 41,26.5

## Other copper
Top Layer:
  pour cut-out: 236.45,68 ccw(c237.95,68) 237.95,66.5 ccw(c237.95,68) 239.45,68 ccw(c237.95,68) 237.95,69.5 ccw(c237.95,68)
  pour cut-out: 236.45,14 ccw(c237.95,14) 237.95,12.5 ccw(c237.95,14) 239.45,14 ccw(c237.95,14) 237.95,15.5 ccw(c237.95,14)
  pour cut-out: 6.05,67 cw(c6.05,68) 5.05,68 cw(c6.05,68) 6.05,69 cw(c6.05,68) 7.05,68 cw(c6.05,68)
  pour cut-out: 6.05,12.5 cw(c6.05,14) 4.55,14 cw(c6.05,14) 6.05,15.5 cw(c6.05,14) 7.55,14 cw(c6.05,14)

## Silkscreen, mask and mechanical layers (free items; w line width, h text height)
Top Overlay:
  lines w0.254: 19,22 75,22 75,60 19,60 19,22
Bottom Overlay:
  drawing of 20 lines, arcs and shapes, not listed
  text "李家乐" at 125.679,43.634 h4.06 r180
  text "OLED" at 37.897,42.367 h5.08 r180
  text "Designer" at 125.933,37.561 h2.79 r180
Top Solder:
  drawing of 171 lines, arcs and shapes, not listed
Bottom Solder:
  lines w4.699: 76.81,68.422 76.81,70.689 84.658,78.537 201.656,78.537 203.287,76.906 ; 91.237,76.479 91.237,73.228 92.254,72.211 92.254,71.704 95.199,71.704 ; 100.762,71.501 110.783,71.501 ; 117.983,71.501 127.508,71.501
  lines w5.08: 178.475,69.906 178.475,76.906 ; 183.475,69.906 183.475,76.906 ; 198.287,69.906 198.287,76.906 ; 203.287,69.906 203.287,76.906
Mechanical 1:
  the board outline again, w0.762